# Altium PCB HAND_MULTILAYER.PcbDoc (part 1 of 3) (continued)
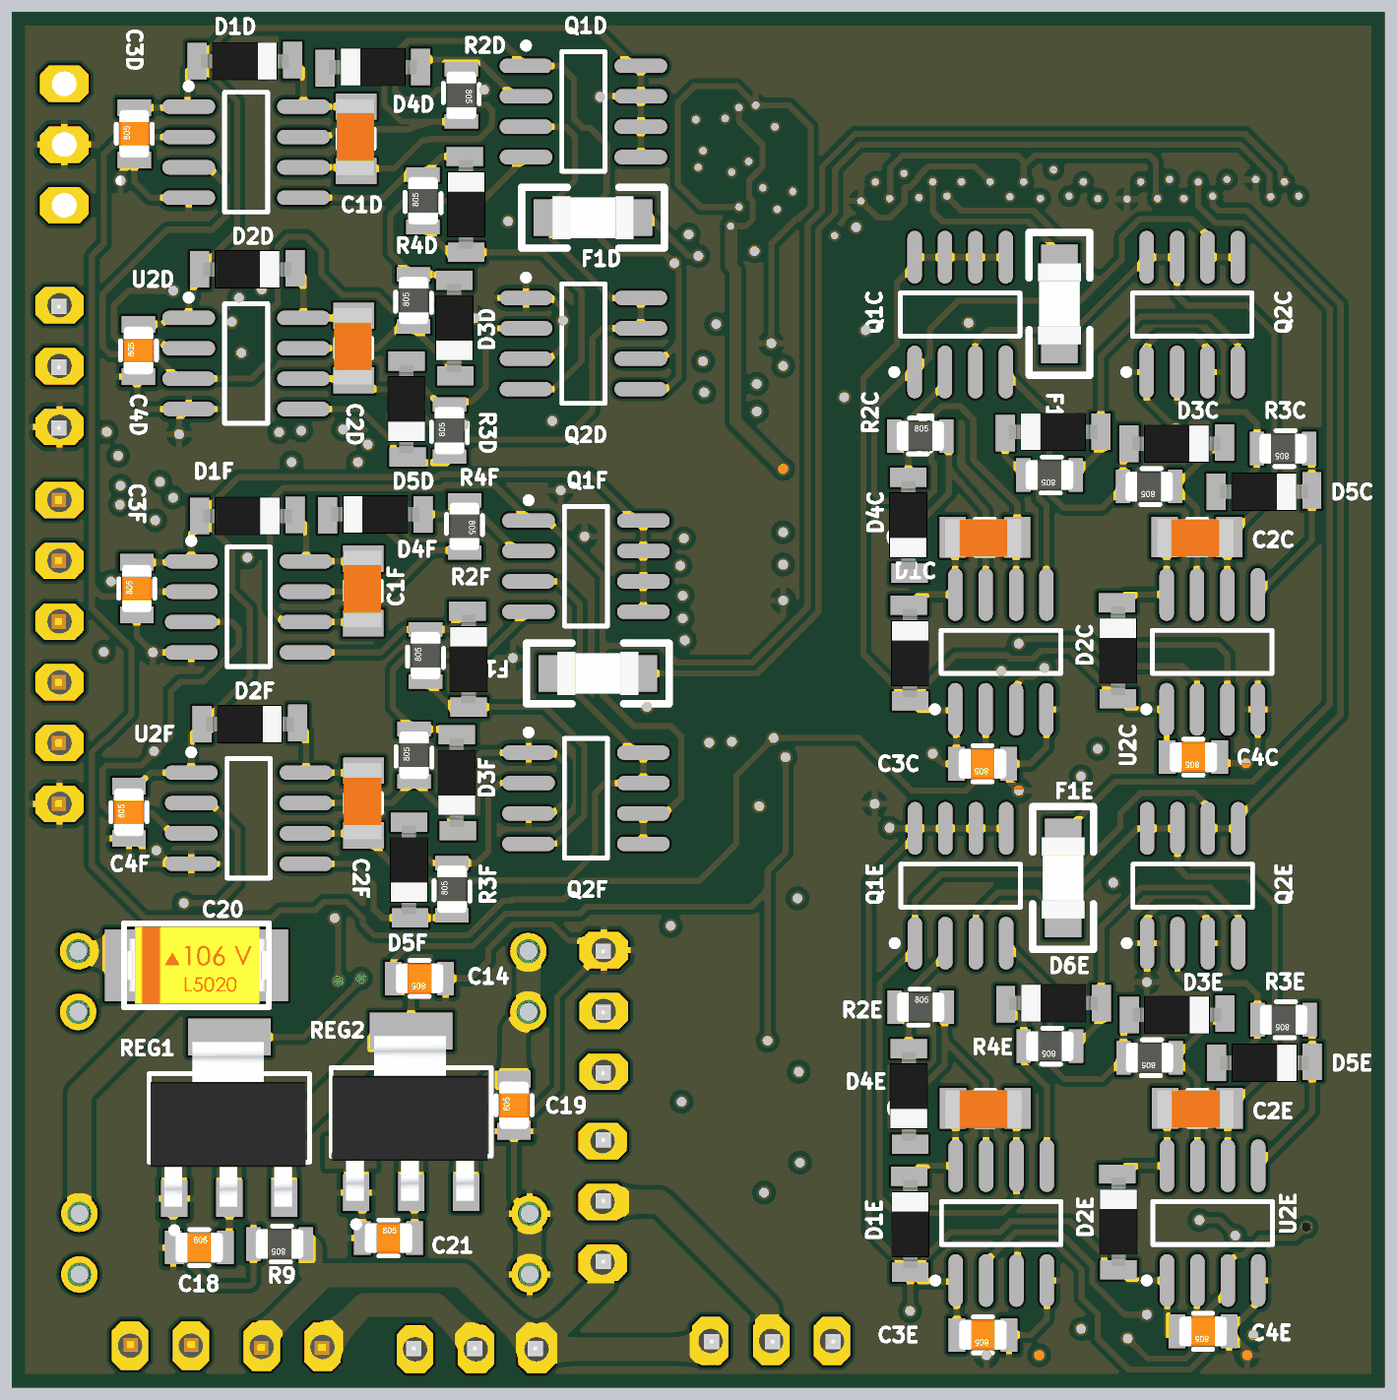
[diagram p7: 3D render of the assembled board from below, using the file's embedded part models]

## Layer stack, top to bottom
Top Solder: solder mask 0.0102, Solder Resist, Dk 3.5
Top Layer: signal copper 0.0356
Dielectric 1: core 0.254, FR-4, Dk 4.2
POWER: signal copper 0.036
Dielectric 3: prepreg 0.127, Dk 4.2
GND: signal copper 0.036
Dielectric 2: core 0.254, Dk 4.2
Bottom Layer: signal copper 0.0356
Bottom Solder: solder mask 0.0102, Solder Resist, Dk 3.5

## Board outline
78.7,69.3 78.7,126.8 136.1,126.8 136.1,69.3

## Design rules (kind name [scope] priority, off if disabled: settings)
Clearance [All] p1: gap=0.2 ignorepadtopadclearanceinfootprint=FALSE
PolygonConnect [All] p1: connectstyle=Relief reliefconductorwidth=0.254 reliefentries=4 polygonreliefangle="90 Angle" airgapwidth=0.254
RoomDefinition B4 [InComponentClass('B4')] p1: confinementstyle=ConfineIn formatcopy=TRUE lockcomponents=FALSE outline 132.705,107.107 132.705,126.207 108.105,126.207 108.105,107.107
RoomDefinition B3 [InComponentClass('B3')] p2: confinementstyle=ConfineIn formatcopy=TRUE lockcomponents=FALSE outline 80.917,93.645 100.017,93.645 100.017,118.245 80.917,118.245
RoomDefinition B1 [InComponentClass('B1')] p3: confinementstyle=ConfineIn formatcopy=TRUE lockcomponents=FALSE outline 98.957,69 98.957,93.6 79.357,93.6 79.357,69
RoomDefinition B5 [InComponentClass('B5')] p4: confinementstyle=ConfineIn formatcopy=TRUE lockcomponents=FALSE outline 80.9,69.77 100,69.77 100,94.37 80.9,94.37
RoomDefinition B2 [InComponentClass('B2')] p5: confinementstyle=ConfineIn formatcopy=TRUE lockcomponents=FALSE outline 98.95,93.05 98.95,117.65 79.35,117.65 79.35,93.05
RoomDefinition B6 [InComponentClass('B6')] p6: confinementstyle=ConfineIn formatcopy=TRUE lockcomponents=FALSE outline 132.6,88.1 132.6,107.2 108,107.2 108,88.1
RoutingVias [All] p1: holewidth=0.3 width=1.27 viastyle="Through Hole" minholewidth=0.2 minwidth=1.27 maxholewidth=0.711 maxwidth=1.27
SolderMaskExpansion [All] p1: expansion=0.102
Width [All] p1: maxlimit=5 minlimit=0.2 preferedwidth=0.3 toplayer_prefwidth=0.254 midlayer1_minwidth=0.254 midlayer1_maxwidth=3 midlayer1_prefwidth=0.254 midlayer2_minwidth=0.254 midlayer2_maxwidth=3 midlayer2_prefwidth=0.254 minimp=50.000000 maximp=50.000000 favimp=50.000000
30 further rules are at their usual default settings.

## Classes and differential pairs
channel class Bridge: B1 B2 B3 B4 B5 B6
component class Designator: C5 U3
component class B6: C1F C2F C3F C4F D1F D2F D3F D4F D5F D6F F1F Q1F Q2F R1F R2F R3F R4F U1F U2F
component class B5: C1E C2E C3E C4E D1E D2E D3E D4E D5E D6E F1E Q1E Q2E R1E R2E R3E R4E U1E U2E
component class B4: C1D C2D C3D C4D D1D D2D D3D D4D D5D D6D F1D Q1D R1D R2D R3D R4D U1D U2D
component class B3: C1C C2C C3C C4C D1C D2C D3C D4C D5C D6C F1C Q1C Q2C R1C R2C R3C R4C U1C U2C
component class B2: C1B C2B C3B C4B D1B D2B D3B D4B D5B D6B F1B Q1B Q2B R1B R2B R3B R4B U1B U2B
component class PULSE_SELECT1: U4
component class B1: C1A C2A C3A C4A D1A D2A D3A D4A D5A D6A F1A Q1A Q2A R1A R2A R3A R4A U1A U2A
component class main: B1 C6 C7 C8 C9 C10 C11 C12 C13 C14 C15 C16 C17 C18 C19 C20 C21 CAN1 L1 P1 pw R5 R6 R7 R8 R9 R11 R12 R13 R14 R15 R16 R17 R18 REG1 REG2 SERIAL1 SERVO1 SERVO2 SERVO3 servopw stlink1 TTL1 U5 U6 U7 U8 U9 Y1

## Components (designator, comment, footprint, x,y, rotation, side; value= is the part's Value field where it differs from the comment)
B1 "RESET" "SMD PUSH BUTTON" 117.5,90.9 r0 top
C1A "470NF" MY_CAP_SMD_1206 84.522,80.2 r180 top (schematic designator C1)
C1B "470NF" MY_CAP_SMD_1206 84.5,104.35 r180 top (schematic designator C1)
C1C "470NF" MY_CAP_SMD_1206 95.417,104.845 r0 bottom (schematic designator C1)
C1D "470NF" MY_CAP_SMD_1206 121.7,121.5 r90 bottom (schematic designator C1)
C1E "470NF" MY_CAP_SMD_1206 95.4,80.97 r0 bottom (schematic designator C1)
C1F "470NF" MY_CAP_SMD_1206 121.4,102.6 r90 bottom (schematic designator C1)
C2A "470NF" MY_CAP_SMD_1206 93.357,80.2 r180 top (schematic designator C2)
C2B "470NF" MY_CAP_SMD_1206 93.35,104.25 r180 top (schematic designator C2)
C2C "470NF" MY_CAP_SMD_1206 86.55,104.85 r0 bottom (schematic designator C2)
C2D "470NF" MY_CAP_SMD_1206 121.8,112.75 r90 bottom (schematic designator C2)
C2E "470NF" MY_CAP_SMD_1206 86.533,80.975 r0 bottom (schematic designator C2)
C2F "470NF" MY_CAP_SMD_1206 121.395,93.733 r90 bottom (schematic designator C2)
C3A "100NF" MY_CAP_SMD_0805 84.375,70.725 r180 top (schematic designator C3)
C3B "100NF" MY_CAP_SMD_0805 84.368,94.775 r180 top (schematic designator C3)
C3C "100NF" MY_CAP_SMD_0805 95.517,95.375 r0 bottom (schematic designator C3)
C3D "100NF" MY_CAP_SMD_0805 130.975,121.707 r90 bottom (schematic designator C3)
C3E "100NF" MY_CAP_SMD_0805 95.5,71.5 r0 bottom (schematic designator C3)
C3F "100NF" MY_CAP_SMD_0805 130.87,102.7 r90 bottom (schematic designator C3)
C4A "100NF" MY_CAP_SMD_0805 93.208,70.9 r180 top (schematic designator C4)
C4B "100NF" MY_CAP_SMD_0805 93.75,94.95 r180 top (schematic designator C4)
C4C "100NF" MY_CAP_SMD_0805 86.7,95.65 r0 bottom (schematic designator C4)
C4D "100NF" MY_CAP_SMD_0805 130.8,112.65 r90 bottom (schematic designator C4)
C4E "100NF" MY_CAP_SMD_0805 86.3,71.65 r0 bottom (schematic designator C4)
C4F "100NF" MY_CAP_SMD_0805 131.2,93.35 r90 bottom (schematic designator C4)
C5 "100n" MY_CAP_SMD_0805 117.4,116.208 r90 top
C6 "100n" MY_CAP_SMD_0805 103.75,107.75 r0 top
C7 "100NF" MY_CAP_SMD_0805 118.35,121.6 r270 top
C8 "20p" MY_CAP_SMD_0805 121.3,93.9 r0 top
C9 "20p" MY_CAP_SMD_0805 124.992,93.9 r0 top
C10 "100n" MY_CAP_SMD_0805 129.2,111.3 r90 top
C11 "100n" MY_CAP_SMD_0805 115.9,103.95 r0 top
C12 "100n" MY_CAP_SMD_0805 118.95,113.95 r270 top
C13 "100n" MY_CAP_SMD_0805 118.6,101.4 r0 top
C14 "100NF" MY_CAP_SMD_0805 119.05,86.4 r0 bottom
C15 "22Pf" MY_CAP_SMD_0805 124.8,89.9 r180 top
C16 "10uf" MY_cap_smd10uf 112.1,100.8 r180 top
C17 "100n" MY_CAP_SMD_0805 111.9,102.8 r0 top
C18 "100n" MY_CAP_SMD_0805 128.258,75.15 r180 bottom
C19 "100n" MY_CAP_SMD_0805 115.1,81.1 r90 bottom
C20 "Cap" MY_CAP_SMD-C 128.65,86.85 r180 bottom value=3300u
C21 "100n" MY_CAP_SMD_0805 120.35,75.55 r180 bottom
CAN1 "pin_gerd" MY_PINGERD3 133.9,121.26 r90 top
D1A "1N4148" MY_DIOD1N5822_SMD 81.357,75.5 r90 top (schematic designator D1)
D1B "1N4148" MY_DIOD1N5822_SMD 81.35,99.55 r90 top (schematic designator D1)
D1C "1N4148" MY_DIOD1N5822_SMD 98.55,100.05 r90 bottom (schematic designator D1)
D1D "1N4148" MY_DIOD1N5822_SMD 126.3,124.74 r180 bottom (schematic designator D1)
D1E "1N4148" MY_DIOD1N5822_SMD 98.533,76.175 r90 bottom (schematic designator D1)
D1F "1N4148" MY_DIOD1N5822_SMD 126.195,105.733 r180 bottom (schematic designator D1)
D2A "1N4148" MY_DIOD1N5822_SMD 90.057,75.5 r90 top (schematic designator D2)
D2B "1N4148" MY_DIOD1N5822_SMD 90.05,99.55 r90 top (schematic designator D2)
D2C "1N4148" MY_DIOD1N5822_SMD 89.85,100.15 r90 bottom (schematic designator D2)
D2D "1N4148" MY_DIOD1N5822_SMD 126.2,116.04 r180 bottom (schematic designator D2)
D2E "1N4148" MY_DIOD1N5822_SMD 89.833,76.275 r90 bottom (schematic designator D2)
D2F "1N4148" MY_DIOD1N5822_SMD 126.095,97.033 r180 bottom (schematic designator D2)
D3A "1N4148" MY_DIOD1N5822_SMD 92.257,84.013 r0 top (schematic designator D3)
D3B "1N4148" MY_DIOD1N5822_SMD 92.25,108.063 r0 top (schematic designator D3)
D3C "1N4148" MY_DIOD1N5822_SMD 87.35,108.75 r180 bottom (schematic designator D3)
D3D "1N4148" MY_DIOD1N5822_SMD 117.6,113.54 r270 bottom (schematic designator D3)
D3E "1N4148" MY_DIOD1N5822_SMD 87.333,84.875 r180 bottom (schematic designator D3)
D3F "1N4148" MY_DIOD1N5822_SMD 117.495,94.533 r270 bottom (schematic designator D3)
D4A "1N4148" MY_DIOD1N5822_SMD 82.7,82.2 r0 top (schematic designator D4)
D4B "1N4148" MY_DIOD1N5822_SMD 82.85,106.25 r0 top (schematic designator D4)
D4C "1N4148" MY_DIOD1N5822_SMD 98.617,105.295 r270 bottom (schematic designator D4)
D4D "1N4148" MY_DIOD1N5822_SMD 121.05,124.5 r0 bottom (schematic designator D4)
D4E "1N4148" MY_DIOD1N5822_SMD 98.6,81.42 r270 bottom (schematic designator D4)
D4F "1N4148" MY_DIOD1N5822_SMD 120.95,105.8 r0 bottom (schematic designator D4)
D5A "1N4148" MY_DIOD1N5822_SMD 96.207,82.1 r0 top (schematic designator D5)
D5B "1N4148" MY_DIOD1N5822_SMD 96.2,106.15 r0 top (schematic designator D5)
D5C "1N4148" MY_DIOD1N5822_SMD 83.7,106.75 r180 bottom (schematic designator D5)
D5D "1N4148" MY_DIOD1N5822_SMD 119.6,110.15 r270 bottom (schematic designator D5)
D5E "1N4148" MY_DIOD1N5822_SMD 83.683,82.875 r180 bottom (schematic designator D5)
D5F "1N4148" MY_DIOD1N5822_SMD 119.495,90.883 r270 bottom (schematic designator D5)
D6A "1N4148" MY_DIOD1N5822_SMD 86.957,84.513 r180 top (schematic designator D6)
D6B "1N4148" MY_DIOD1N5822_SMD 86.95,108.563 r180 top (schematic designator D6)
D6C "1N4148" MY_DIOD1N5822_SMD 92.617,109.245 r0 bottom (schematic designator D6)
D6D "1N4148" MY_DIOD1N5822_SMD 117.105,118.807 r90 bottom (schematic designator D6)
D6E "1N4148" MY_DIOD1N5822_SMD 92.6,85.37 r0 bottom (schematic designator D6)
D6F "1N4148" MY_DIOD1N5822_SMD 117,99.8 r90 bottom (schematic designator D6)
F1A "FUSE 1206" FUSE1206 88.157,89.6 r270 top (schematic designator F1)
F1B "FUSE 1206" FUSE1206 88.7,113.15 r270 top (schematic designator F1)
F1C "FUSE 1206" FUSE1206 92.3,114.6 r90 bottom (schematic designator F1)
F1D "FUSE 1206" FUSE1206 111.8,118.2 r180 bottom (schematic designator F1)
F1E "FUSE 1206" FUSE1206 92.15,90.6 r90 bottom (schematic designator F1)
F1F "FUSE 1206" FUSE1206 111.6,99.15 r180 bottom (schematic designator F1)
L1 "100UH" MY_SMD_INDUCTOR 112,98.1 r0 top
P1 "FPC" FPC-50-POS-0.5-MM 107.4,125.7 r270 top locked
pw "Header 2" My_1X02 128.61,71.05 r180 top
Q1A "IRF7303" SO-8_N 83.457,89.5 r90 top (schematic designator Q1)
Q1B "IRF7303" SO-8_N 83.45,113.55 r90 top (schematic designator Q1)
Q1C "IRF7303" SO-8_N 96.45,114.15 r90 bottom (schematic designator Q1)
Q1D "IRF7303" SO-8_N 112.2,122.64 r180 bottom (schematic designator Q1)
Q1E "IRF7303" SO-8_N 96.433,90.275 r90 bottom (schematic designator Q1)
Q1F "IRF7303" SO-8_N 112.095,103.633 r180 bottom (schematic designator Q1)
Q2A "IRF7303" SO-8_N 93.157,89.5 r90 top (schematic designator Q2)
Q2B "IRF7303" SO-8_N 93.15,113.55 r90 top (schematic designator Q2)
Q2C "IRF7303" SO-8_N 86.75,114.15 r90 bottom (schematic designator Q2)
Q2D "IRF7303" SO-8_N 112.2,112.94 r180 bottom (schematic designator Q2)
Q2E "IRF7303" SO-8_N 86.733,90.275 r90 bottom (schematic designator Q2)
Q2F "IRF7303" SO-8_N 112.095,93.933 r180 bottom (schematic designator Q2)
R1A "10" MY_RES_SMD_0805 91.357,82.313 r180 top (schematic designator R1)
R1B "10" MY_RES_SMD_0805 91.35,106.363 r180 top (schematic designator R1)
R1C "10" MY_RES_SMD_0805 88.55,106.963 r0 bottom (schematic designator R1)
R1D "10" MY_RES_SMD_0805 119.3,114.74 r90 bottom (schematic designator R1)
R1E "10" MY_RES_SMD_0805 88.533,83.088 r0 bottom (schematic designator R1)
R1F "10" MY_RES_SMD_0805 119.282,95.733 r90 bottom (schematic designator R1)
R2A "10" MY_RES_SMD_0805 82.05,84.1 r0 top (schematic designator R2)
R2B "10" MY_RES_SMD_0805 82.7,108.5 r0 top (schematic designator R2)
R2C "10" MY_RES_SMD_0805 98.117,109.075 r180 bottom (schematic designator R2)
R2D "10" MY_RES_SMD_0805 117.305,123.315 r270 bottom (schematic designator R2)
R2E "10" MY_RES_SMD_0805 98.1,85.2 r180 bottom (schematic designator R2)
R2F "10" MY_RES_SMD_0805 117.17,105.3 r270 bottom (schematic designator R2)
R3A "10" MY_RES_SMD_0805 96.957,83.9 r180 top (schematic designator R3)
R3B "10" MY_RES_SMD_0805 96.95,107.95 r180 top (schematic designator R3)
R3C "10" MY_RES_SMD_0805 82.95,108.55 r0 bottom (schematic designator R3)
R3D "10" MY_RES_SMD_0805 117.8,109.3 r90 bottom (schematic designator R3)
R3E "10" MY_RES_SMD_0805 82.933,84.675 r0 bottom (schematic designator R3)
R3F "10" MY_RES_SMD_0805 117.695,90.133 r90 bottom (schematic designator R3)
R4A "10" MY_RES_SMD_0805 87.342,82.8 r180 top (schematic designator R4)
R4B "10" MY_RES_SMD_0805 87.05,106.863 r180 top (schematic designator R4)
R4C "10" MY_RES_SMD_0805 92.717,107.445 r0 bottom (schematic designator R4)
R4D "10" MY_RES_SMD_0805 118.905,118.907 r90 bottom (schematic designator R4)
R4E "10" MY_RES_SMD_0805 92.7,83.57 r0 bottom (schematic designator R4)
R4F "10" MY_RES_SMD_0805 118.8,99.9 r90 bottom (schematic designator R4)
R5 "120" MY_RES_SMD_0805 130.2,121 r270 top
R6 "120" MY_RES_SMD_0805 123,124.75 r0 top
R7 "1.8k" MY_RES_SMD_0805 121.1,117.75 r180 top
R8 "3.3K" MY_RES_SMD_0805 124.35,117.8 r180 top
R9 "0" MY_RES_SMD_0805 124.9,75.3 r0 bottom
R11 "100" MY_RES_SMD_0805 123.95,115.45 r90 top
R12 "100" MY_RES_SMD_0805 122.35,115.45 r270 top
R13 "100k" MY_RES_SMD_0805 131.6,111.208 r270 top
R14 "10k" MY_RES_SMD_0805 115.05,107 r0 top
R15 "220" MY_RES_SMD_0805 123.458,100.9 r0 top
R16 "3.3K" MY_RES_SMD_0805 109.65,90.2 r180 top
R17 "1.8k" MY_RES_SMD_0805 108.75,86.208 r270 top
R18 "10K" MY_RES_SMD_0805 124.9,91.75 r0 top
REG1 "LD1117 3.3" MY_LD1117-3.3 127,80.702 r180 bottom
REG2 "LD1117 5" MY_LD1117-3.3 119.4,80.95 r180 bottom
SERIAL1 "Header 3" My_1X03 134.1,112 r90 top
SERVO1 "Header 3" My_1X03 116.7,70.9 r180 top
SERVO2 "Header 3" My_1X03 104.35,71.25 r0 top
SERVO3 "Header 3" My_1X03 111.4,77.06 r270 top
servopw "Header 2" My_1X02 125.65,71 r0 top
stlink1 "Header 6" My_1X06 134.1,100.05 r90 top
TTL1 "Header 3" My_1X03 111.35,85.04 r90 top
U1A "IR2104S" SO-8_N 85.157,75.4 r90 top (schematic designator U1)
U1B "IR2104S" SO-8_N 85.15,99.45 r90 top (schematic designator U1)
U1C "IR2104S" SO-8_N 94.75,100.05 r90 bottom (schematic designator U1)
U1D "IR2104S" SO-8_N 126.3,120.94 r180 bottom (schematic designator U1)
U1E "IR2104S" SO-8_N 94.733,76.175 r90 bottom (schematic designator U1)
U1F "IR2104S" SO-8_N 126.195,101.933 r180 bottom (schematic designator U1)
U2A "IR2104S" SO-8_N 93.992,75.4 r90 top (schematic designator U2)
U2B "IR2104S" SO-8_N 93.985,99.45 r90 top (schematic designator U2)
U2C "IR2104S" SO-8_N 85.915,100.05 r90 bottom (schematic designator U2)
U2D "IR2104S" SO-8_N 126.3,112.105 r180 bottom (schematic designator U2)
U2E "IR2104S" SO-8_N 85.898,76.175 r90 bottom (schematic designator U2)
U2F "IR2104S" SO-8_N 126.195,93.098 r180 bottom (schematic designator U2)
U3 "M74HC238M1R" SO16_N 112.7,112.9 r0 top
U4 "HCF4001BM1" SO14_N 104.05,91.05 r0 top
U5 "MCP2551-I/SN" SOIC-SN8_N 122.9,121.295 r0 top
U6 "MC74HC138AD" 751B-03_N 104.05,101.75 r0 top
U7 "MC74HC125AD" 751A-02_N 103.9,80 r0 top
U8 "STM32F103C8T6" LQFP48_N 122.8,107.7 r90 top locked
U9 "MP1584" mp1584 123.885,80.784 r180 top locked
Y1 "8mhz" "My_Crystal - SMD" 122.6,97.5 r180 top
